# Altium PCB Falcon.PcbDoc
Units mm, origin at the board's own origin, x right, y up, seen from the top; angles counter-clockwise.
Board outline 100 x 100 mm, 2 copper layers (Top Layer, Bottom Layer); 139 components, 124 nets, 561 pads, 0 vias.
Unrouted connection lines stored in the file: 366.
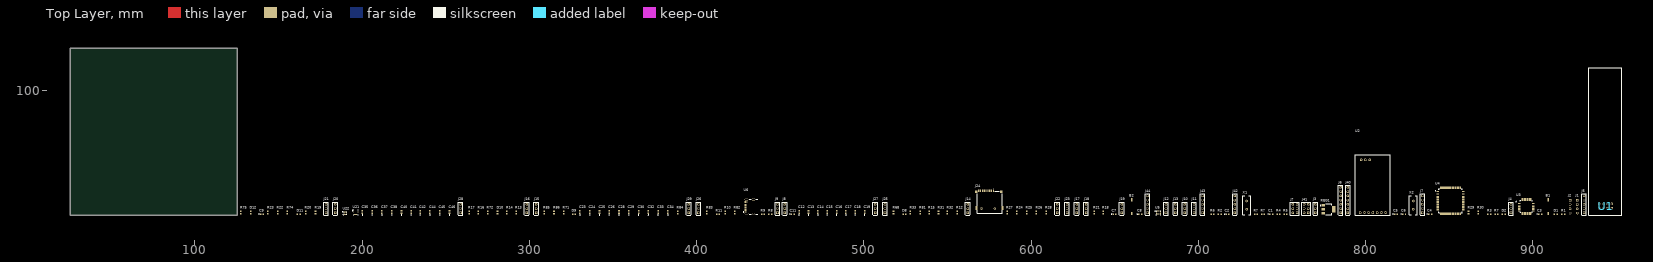
[diagram p0: Top Layer view]
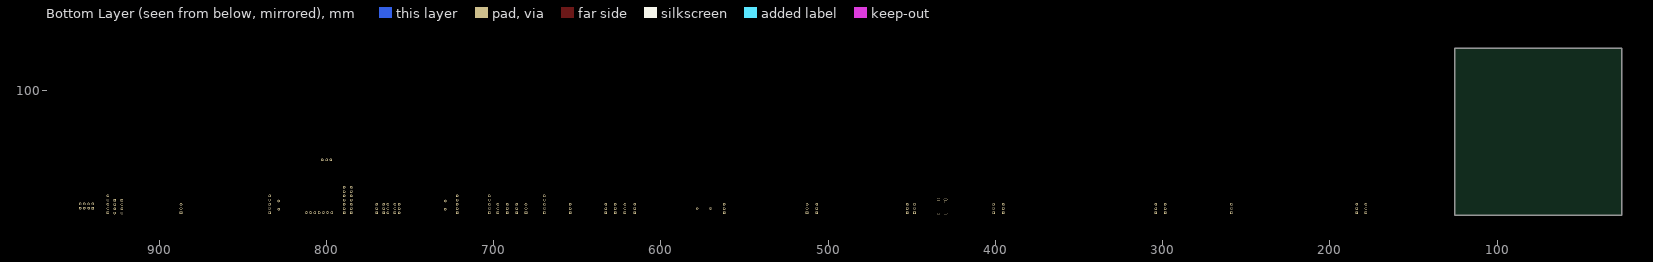
[diagram p1: Bottom Layer view, seen from below]

## Layer stack, top to bottom
Top Solder: solder mask 0.0102, Solder Resist, Dk 3.5
Top Layer: signal copper 0.0356
Dielectric 1: dielectric 0.32, FR-4, Dk 4.8
Bottom Layer: signal copper 0.0356
Bottom Solder: solder mask 0.0102, Solder Resist, Dk 3.5

## Board outline
25.4,25.4 125.4,25.4 125.4,125.4 25.4,125.4

## Design rules (kind name [scope] priority, off if disabled: settings)
Clearance [All] p1: gap=0.254 ignorepadtopadclearanceinfootprint=FALSE
PolygonConnect [All] p1: connectstyle=Relief reliefconductorwidth=0.254 reliefentries=4 polygonreliefangle="90 Angle" airgapwidth=0.254
RoutingVias [All] p1: holewidth=0.711 width=1.27 viastyle="Through Hole" minholewidth=0.711 minwidth=1.27 maxholewidth=0.711 maxwidth=1.27
SolderMaskExpansion [All] p1: expansion=0.102 istentingtop=FALSE
SupplyNets "Schematic Supply Nets" [InNet('GND')] p1: voltage=0.000
Width [All] p1: maxlimit=0.254 minlimit=0.254 preferedwidth=0.254
30 further rules are at their usual default settings.

## Components (designator, comment, footprint, x,y, rotation, side; value= is the part's Value field where it differs from the comment)
B1 "Buton" "SMD TACT SWITCH BUTTON" 909.066,30.607 r90 top
B2 "Buton" "SMD TACT SWITCH BUTTON" 660.146,30.607 r90 top
C1 "20pF 0603" "0603 SMD CAP" 743.458,26.162 r0 top
C2 "20pF 0603" "0603 SMD CAP" 717.423,26.162 r0 top
C3 "100 pF 0603" "0603 SMD CAP" 904.367,26.162 r0 top
C4 "20 pF 0603" "0603 SMD CAP" 838.581,26.162 r0 top
C5 "20 pF 0603" "0603 SMD CAP" 818.134,26.162 r0 top
C6 "2.2uF 0603" "0603 SMD CAP" 822.96,26.162 r0 top
C7 "100 pF 0603" "0603 SMD CAP" 649.859,26.162 r0 top
C8 "2.2uF 0603" "0603 SMD CAP" 665.226,26.162 r0 top
C9 "10uF 0603" "0603 SMD CAP" 140.081,26.162 r0 top
C11 "22uF" "0603 SMD CAP" 457.454,26.162 r0 top
C12 "22uF" "0603 SMD CAP" 461.264,27.432 r90 top
C13 "22uF" "0603 SMD CAP" 466.852,27.432 r90 top
C14 "22uF" "0603 SMD CAP" 472.44,27.432 r90 top
C15 "22uF" "0603 SMD CAP" 478.028,27.432 r90 top
C16 "22uF" "0603 SMD CAP" 483.616,27.432 r90 top
C17 "22uF" "0603 SMD CAP" 489.204,27.432 r90 top
C18 "100nF" "0603 SMD CAP" 494.792,27.432 r90 top
C19 "100nF" "0603 SMD CAP" 500.38,27.432 r90 top
C23 "22uF" "0603 SMD CAP" 330.2,27.432 r90 top
C24 "22uF" "0603 SMD CAP" 336.042,27.432 r90 top
C25 "22uF" "0603 SMD CAP" 341.884,27.432 r90 top
C26 "22uF" "0603 SMD CAP" 347.726,27.432 r90 top
C28 "22uF" "0603 SMD CAP" 353.568,27.432 r90 top
C29 "22uF" "0603 SMD CAP" 359.41,27.432 r90 top
C30 "22uF" "0603 SMD CAP" 365.252,27.432 r90 top
C32 "22uF" "0603 SMD CAP" 371.094,27.432 r90 top
C33 "100nF" "0603 SMD CAP" 376.936,27.432 r90 top
C34 "100nF" "0603 SMD CAP" 382.778,27.432 r90 top
C35 "22uF" "0603 SMD CAP" 200.152,27.432 r90 top
C36 "22uF" "0603 SMD CAP" 205.994,27.432 r90 top
C37 "22uF" "0603 SMD CAP" 211.836,27.432 r90 top
C38 "22uF" "0603 SMD CAP" 217.678,27.432 r90 top
C40 "22uF" "0603 SMD CAP" 223.52,27.432 r90 top
C41 "22uF" "0603 SMD CAP" 229.362,27.432 r90 top
C42 "22uF" "0603 SMD CAP" 234.696,27.432 r90 top
C44 "22uF" "0603 SMD CAP" 240.538,27.432 r90 top
C45 "100nF" "0603 SMD CAP" 246.38,27.432 r90 top
C46 "100nF" "0603 SMD CAP" 252.222,27.432 r90 top
D1 "RED 0603" "0603 SMD LED" 913.638,26.162 r0 top
D2 "GREEN 0603" "0603 SMD LED" 882.523,26.162 r0 top
D8 "GREEN 0603" "0603 SMD LED" 524.256,26.162 r0 top
D9 "GREEN 0603" "0603 SMD LED" 326.644,26.162 r0 top
D10 "GREEN 0603" "0603 SMD LED" 280.924,27.051 r90 top
D11 "GREEN 0603" "0603 SMD LED" 162.052,26.162 r0 top
D12 "GREEN 0603" "0603 SMD LED" 133.35,27.051 r90 top
J1 "1x4 CONN" CON1x4_2.54MM 926.465,30.734 r0 top
J2 "1x4 CONN 2.54mm" CON1x4_2.54MM 922.147,30.734 r0 top
J3 "1x3 CONN 2.54mm" CON1x3_2.54MM 769.874,26.924 r90 top
J4 "1x3 CONN 2.54mm" CON1x3_2.54MM 886.841,26.924 r90 top
J5 "1x5 CONN" CON1x5_2.54MM 930.529,29.464 r90 top
J6 "1x7 CONN" CON1x7_2.54MM 784.987,29.464 r90 top
J7 "1x5 CONN" CON1x5_2.54MM 833.882,29.464 r90 top
J8 "1x3 CONN" CON1x3_2.54MM 452.628,26.924 r90 top
J9 "1x3 CONN" CON1x3_2.54MM 448.31,26.924 r90 top
J10 "1x3 CONN" CON1x3_2.54MM 691.769,26.924 r90 top
J11 "1x3 CONN" CON1x3_2.54MM 697.357,26.924 r90 top
J12 "1x3 CONN" CON1x3_2.54MM 680.593,26.924 r90 top
J13 "1x3 CONN" CON1x3_2.54MM 686.181,26.924 r90 top
J14 "1x3 CONN" CON1x3_2.54MM 562.102,26.924 r90 top
J15 "1x3 CONN" CON1x3_2.54MM 304.038,26.924 r90 top
J16 "1x3 CONN" CON1x3_2.54MM 298.45,26.924 r90 top
J17 "1x3 CONN" CON1x3_2.54MM 627.253,26.924 r90 top
J18 "1x3 CONN" CON1x3_2.54MM 632.841,26.924 r90 top
J19 "1x3 CONN" CON1x3_2.54MM 654.177,26.924 r90 top
J20 "1x3 CONN" CON1x3_2.54MM 183.896,26.924 r90 top
J21 "1x3 CONN" CON1x3_2.54MM 178.435,26.924 r90 top
J22 "1x3 CONN" CON1x3_2.54MM 615.569,26.924 r90 top
J23 "1x3 CONN" CON1x3_2.54MM 621.411,26.924 r90 top
J24 "SD card socket" L-KLS1-TF-003-H1.85-R 575.183,29.464 r0 top
J25 "1x3 CONN" CON1x3_2.54MM 512.572,26.924 r90 top
J26 "1x3 CONN" CON1x3_2.54MM 401.066,26.924 r90 top
J27 "1x3 CONN" CON1x3_2.54MM 506.73,26.924 r90 top
J28 "1x3 CONN" CON1x3_2.54MM 258.826,26.924 r90 top
J29 "1x3 CONN" CON1x3_2.54MM 395.224,26.924 r90 top
J40 "1x7 CONN" CON1x7_2.54MM 789.305,29.464 r90 top
J41 "Header" CON2x3_2.54MM 765.683,29.464 r90 top
J42 "1x5 CONN" CON1x5_2.54MM 721.741,29.464 r90 top
J43 "1x5 CONN" CON1x5_2.54MM 702.437,29.464 r90 top
J44 "1x5 CONN" CON1x5_2.54MM 669.544,29.464 r90 top
J? "Header" CON2x3_2.54MM 758.952,29.464 r90 top
R1 "10K 0603" "0603 SMD RES" 918.083,26.162 r0 top
R2 "220R" "0603 SMD RES" 712.724,26.162 r0 top
R3 "560R" "0603 SMD RES" 873.887,26.162 r0 top
R4 "100K" "0603 SMD RES" 747.776,26.162 r0 top
R5 "100K" "0603 SMD RES" 752.094,26.162 r0 top
R6 "10K 0603" "0603 SMD RES" 708.406,26.162 r0 top
R7 "260R" "0603 SMD RES" 878.205,26.162 r0 top
R8 "2.2K" "0603 SMD RES" 443.992,26.162 r0 top
R9 "2.2K" "0603 SMD RES" 439.674,26.162 r0 top
R10 "10K" "0603 SMD RES" 417.068,27.051 r90 top
R11 "10K" "0603 SMD RES" 412.75,26.162 r0 top
R12 "2.2K" "0603 SMD RES" 555.752,27.051 r90 top
R13 "2.2K" "0603 SMD RES" 292.1,27.051 r90 top
R14 "2.2K" "0603 SMD RES" 286.512,27.051 r90 top
R15 "10K" "0603 SMD RES" 538.988,27.051 r90 top
R16 "10K" "0603 SMD RES" 269.494,27.051 r90 top
R17 "10K" "0603 SMD RES" 263.906,27.051 r90 top
R18 "2.2K" "0603 SMD RES" 643.001,27.051 r90 top
R19 "2.2K" "0603 SMD RES" 172.085,27.051 r90 top
R20 "2.2K" "0603 SMD RES" 166.243,27.051 r90 top
R21 "10K" "0603 SMD RES" 637.667,27.051 r90 top
R22 "10K" "0603 SMD RES" 149.479,27.051 r90 top
R23 "10K" "0603 SMD RES" 143.637,27.051 r90 top
R24 "10K" "0603 SMD RES" 591.439,27.051 r90 top
R25 "10K" "0603 SMD RES" 597.281,27.051 r90 top
R26 "10K" "0603 SMD RES" 603.123,27.051 r90 top
R27 "10K" "0603 SMD RES" 585.597,27.051 r90 top
R28 "10K" "0603 SMD RES" 608.965,27.051 r90 top
R29 "2.7K" "0603 SMD RES" 861.441,27.051 r90 top
R30 "2.7K" "0603 SMD RES" 867.283,27.051 r90 top
R31 "2.7K" "0603 SMD RES" 544.576,27.051 r90 top
R32 "2.7K" "0603 SMD RES" 549.91,27.051 r90 top
R33 "2.7K" "0603 SMD RES" 527.812,27.051 r90 top
R68 "260R" "0603 SMD RES" 517.652,27.051 r90 top
R71 "260R" "0603 SMD RES" 320.548,27.051 r90 top
R72 "260R" "0603 SMD RES" 275.082,27.051 r90 top
R74 "260R" "0603 SMD RES" 155.321,27.051 r90 top
R75 "260R" "0603 SMD RES" 127.508,27.051 r90 top
R81 "2.7K" "0603 SMD RES" 533.654,27.051 r90 top
R82 "1.5K" "0603 SMD RES" 422.656,27.051 r90 top
R83 "22R" "0603 SMD RES" 406.146,27.051 r90 top
R84 "22R" "0603 SMD RES" 388.62,27.051 r90 top
R85 "5.1K" "0603 SMD RES" 308.864,27.051 r90 top
R86 "5.1K" "0603 SMD RES" 314.706,27.051 r90 top
R? "100K" "0603 SMD RES" 734.314,26.162 r0 top
R? "100K" "0603 SMD RES" 738.632,26.162 r0 top
REG1 "AMS1117 - 3.3V - SOT223" SOT-223 777.748,29.083 r0 top
U1 "NRF24L01 Module" "NRF24L01 MODULE" 944.118,27.813 r90 top
U2 "Ebyte Lora - E32-900T20D" "Ebyte LoRa Modul" 802.894,42.418 r90 top
U3 "STM32F103C8T6" LQFP-48 895.985,30.734 r0 top
U4 "STM32F407VGT6" LQFP-100 850.646,34.163 r0 top
U5 "ICM-42688-P" LGA-14 676.021,27.051 r0 top
U6 "TYPE-C USB4105-GF-A-120" "TYPE-C USB4105-GF-A-120" 433.959,30.607 r90 top
U21 "MMC5983MA" VFLGA-16 196.215,27.178 r0 top
U22 "BMP388" WFLGA-10 189.865,26.67 r0 top
X1 "8Mhz HC49-S" "HC49-S Crystal Oscillator" 728.853,31.496 r90 top
X2 "8Mhz HC49-S" "HC49-S Crystal Oscillator" 828.421,31.496 r90 top

## Footprints (in the part's own frame and the unit in brackets; to place one, negate y for a bottom-side part, rotate by r counter-clockwise, add the part's x,y. Pads: shape width x height; smd on the part's side, far side on the other; paste and mask are expansions set on the pad)
"0603 SMD CAP" [mm]
  rect 0.89x0.93 smd: 1(-0.814,0) 2(0.814,0)
  silkscreen extent -1.88,-0.1 -1.68,0.1, body extent -0.8,-0.4 0.8,0.4, height 0.81
"0603 SMD LED" [mm]
  rect 0.89x0.93 smd: A(0.814,0) C(-0.814,0)
  body extent -0.8,-0.35 0.8,0.35, height 0.7
"0603 SMD RES" [mm]
  rect 0.89x0.93 smd: 1(-0.814,0) 2(0.814,0)
  body extent -0.8,-0.4 0.8,0.4, height 0.55
CON1x3_2.54MM [mil]
  rect 60x60 hole 40.16: 1(0,0)
  round 60 hole 40.16: 2(100,0) 3(200,0)
  silkscreen extent -55,-55 255,55, body extent -50,-50 250,50, height 350
CON1x4_2.54MM [mil]
  rect 60x60 hole 40.16: 1(0,145)
  round 60 hole 40.16: 2(0,45) 3(0,-55) 4(0,-155)
  body extent -50,-205 48,195, height 415
CON1x5_2.54MM [mil]
  rect 60x60 hole 40.16: 1(-100,0)
  round 60 hole 40.16: 2(0,0) 3(100,0) 4(200,0) 5(300,0)
  silkscreen extent -155,-55 355,55, body extent -150,-50 350,50, height 350
CON1x7_2.54MM [mil]
  rect 60x60 hole 40.16: 1(-100,0)
  round 60 hole 40.16: 2(0,0) 3(100,0) 4(200,0) 5(300,0) 6(400,0) 7(500,0)
  silkscreen extent -155,-55 555,55, body extent -150,-50 550,50, height 350
CON2x3_2.54MM [mil]
  rect 60x60 hole 40.16: 1(-100,0)
  round 60 hole 40.16: 2(0,0) 3(100,0) 4(-100,100) 5(0,100) 6(100,100)
  silkscreen extent -155,-55 155,155, body extent -150,-50 150,150, height 350
"Ebyte LoRa Modul" [mm] "Modul"
  round 1.524 hole 1.02: 1(-15.3,6.24) 2(-15.3,3.7) 3(-15.3,1.16) 4(-15.3,-1.38) 5(-15.3,-3.92) 6(-15.3,-6.46) 7(-15.3,-9) 8(16.2,0.54) 9(16.2,3.08) 10(16.2,5.62)
  silkscreen extent -16.81,-11.86 19.19,9.14, body extent -16.78,-11.9 32,9.1, height 8.71
"HC49-S Crystal Oscillator" [mil]
  round 60 hole 30: 1(-98.43,0) 2(98.43,0)
  silkscreen extent -224,-94 224,94, body extent -226,-98 226,98, height 145
L-KLS1-TF-003-H1.85-R [mm]
  rect 0.7x1.4 smd: 1(2.25,10.6) 2(1.15,10.6) 3(0.05,10.6) 4(-1.05,10.6) 5(-2.15,10.6) 6(-3.25,10.6) 7(-4.35,10.6) 8(-5.45,10.6) 9(-6.55,10.6)
  rect 1.6x1.4 smd: 10(-8,10) 13(6.85,10)
  rect 1.2x2.2 smd: 11(-7.75,0.4) 12(7.75,0.4)
  round 1.4 hole 0.9: 14(3.05,0) 15(-4.95,0)
  silkscreen extent -7.37,-2.71 7.37,11.84, body extent -8,-3.99 8.1,11.21, height 1.85
LGA-14 [mm]
  rrect50% 0.59x0.35 smd mask+0: 1(-1.165,0.75) 2(-1.165,0.25) 3(-1.165,-0.25) 4(-1.165,-0.75) 8(1.165,-0.75) 9(1.165,-0.25) 10(1.165,0.25) 11(1.165,0.75)
  rrect50% 0.35x0.59 smd mask+0: 5(-0.5,-0.915) 6(0,-0.915) 7(0.5,-0.915) 12(0.5,0.915) 13(0,0.915) 14(-0.5,0.915)
  silkscreen extent -2.1,-1.25 1.5,1.25, body extent -1.5,-1.25 1.5,1.25, height 0.97
LQFP-48 [mm]
  rrect50% 1.56x0.28 smd: 1(-4.18,2.75) 2(-4.18,2.25) 3(-4.18,1.75) 4(-4.18,1.25) 5(-4.18,0.75) 6(-4.18,0.25) 7(-4.18,-0.25) 8(-4.18,-0.75) 9(-4.18,-1.25) 10(-4.18,-1.75) 11(-4.18,-2.25) 12(-4.18,-2.75) 25(4.18,-2.75) 26(4.18,-2.25) 27(4.18,-1.75) 28(4.18,-1.25) 29(4.18,-0.75) 30(4.18,-0.25) 31(4.18,0.25) 32(4.18,0.75) 33(4.18,1.25) 34(4.18,1.75) 35(4.18,2.25) 36(4.18,2.75)
  rrect50% 0.28x1.56 smd: 13(-2.75,-4.18) 14(-2.25,-4.18) 15(-1.75,-4.18) 16(-1.25,-4.18) 17(-0.75,-4.18) 18(-0.25,-4.18) 19(0.25,-4.18) 20(0.75,-4.18) 21(1.25,-4.18) 22(1.75,-4.18) 23(2.25,-4.18) 24(2.75,-4.18) 37(2.75,4.18) 38(2.25,4.18) 39(1.75,4.18) 40(1.25,4.18) 41(0.75,4.18) 42(0.25,4.18) 43(-0.25,4.18) 44(-0.75,4.18) 45(-1.25,4.18) 46(-1.75,4.18) 47(-2.25,4.18) 48(-2.75,4.18)
  silkscreen extent -6.15,-3.6 3.6,3.6, body extent -4.5,-4.5 4.5,4.5, height 1.6
LQFP-100 [mm]
  rrect50% 1.56x0.28 smd: 1(-7.68,6) 2(-7.68,5.5) 3(-7.68,5) 4(-7.68,4.5) 5(-7.68,4) 6(-7.68,3.5) 7(-7.68,3) 8(-7.68,2.5) 9(-7.68,2) 10(-7.68,1.5) 11(-7.68,1) 12(-7.68,0.5) 13(-7.68,0) 14(-7.68,-0.5) 15(-7.68,-1) 16(-7.68,-1.5) 17(-7.68,-2) 18(-7.68,-2.5) 19(-7.68,-3) 20(-7.68,-3.5) 21(-7.68,-4) 22(-7.68,-4.5) 23(-7.68,-5) 24(-7.68,-5.5) 25(-7.68,-6) 51(7.68,-6) 52(7.68,-5.5) 53(7.68,-5) 54(7.68,-4.5) 55(7.68,-4) 56(7.68,-3.5) 57(7.68,-3) 58(7.68,-2.5) 59(7.68,-2) 60(7.68,-1.5) 61(7.68,-1) 62(7.68,-0.5) 63(7.68,0) 64(7.68,0.5) 65(7.68,1) 66(7.68,1.5) 67(7.68,2) 68(7.68,2.5) 69(7.68,3) 70(7.68,3.5) 71(7.68,4) 72(7.68,4.5) 73(7.68,5) 74(7.68,5.5) 75(7.68,6)
  rrect50% 0.28x1.56 smd: 26(-6,-7.68) 27(-5.5,-7.68) 28(-5,-7.68) 29(-4.5,-7.68) 30(-4,-7.68) 31(-3.5,-7.68) 32(-3,-7.68) 33(-2.5,-7.68) 34(-2,-7.68) 35(-1.5,-7.68) 36(-1,-7.68) 37(-0.5,-7.68) 38(0,-7.68) 39(0.5,-7.68) 40(1,-7.68) 41(1.5,-7.68) 42(2,-7.68) 43(2.5,-7.68) 44(3,-7.68) 45(3.5,-7.68) 46(4,-7.68) 47(4.5,-7.68) 48(5,-7.68) 49(5.5,-7.68) 50(6,-7.68) 76(6,7.68) 77(5.5,7.68) 78(5,7.68) 79(4.5,7.68) 80(4,7.68) 81(3.5,7.68) 82(3,7.68) 83(2.5,7.68) 84(2,7.68) 85(1.5,7.68) 86(1,7.68) 87(0.5,7.68) 88(0,7.68) 89(-0.5,7.68) 90(-1,7.68) 91(-1.5,7.68) 92(-2,7.68) 93(-2.5,7.68) 94(-3,7.68) 95(-3.5,7.68) 96(-4,7.68) 97(-4.5,7.68) 98(-5,7.68) 99(-5.5,7.68) 100(-6,7.68)
  silkscreen extent -9.1,-7.1 7.1,7.1, body extent -8,-8 8,8, height 1.6
"NRF24L01 MODULE" [mil]
  rect 60x60 hole 40.16: 1(75,180)
  round 60 hole 40.16: 2(175,180) 3(75,80) 4(175,80) 5(75,-20) 6(175,-20) 7(75,-120) 8(175,-120)
  silkscreen extent -90,-355 3385,420, body extent 0,-275 5961,335, height 600
"SMD TACT SWITCH BUTTON" [mm]
  rect 2x1 smd: 0(4.064,0) 1(-4.064,0)
  body extent -4.03,-1.83 4.03,1.83, height 2.51
SOT-223 [mm]
  rect 2x1.5 smd: 1(-3.15,2.3) 2(-3.15,0) 3(-3.15,-2.3)
  rect 2x3.8 smd: 4(3.15,0)
  silkscreen extent -4.94,-3.35 1.85,3.35, body extent -3.5,-3.23 3.5,3.22, height 1.8
"TYPE-C USB4105-GF-A-120" [mm]
  rect 0.6x1.15 smd: A1_B12(-3.2,4.755) A4_B9(-2.4,4.755) B1_A12(3.2,4.755) B4_A9(2.4,4.755)
  rect 0.3x1.15 smd: A5(-1.25,4.755) A6(-0.25,4.755) A7(0.25,4.755) A8(1.25,4.755) B5(1.75,4.755) B6(0.75,4.755) B7(-0.75,4.755) B8(-1.75,4.755)
  oval 1x2.1 hole 0.6 slot 1.7 at 90 deg: SH1(-4.32,4.18) SH2(4.32,4.18)
  rrect50% 1x1.8 hole 0.6 slot 1.4 at 90 deg: SH3(-4.32,0) SH4(4.32,0)
  round 0.65 hole 0.65 unplated: ""(-2.89,3.68) ""(2.89,3.68)
  silkscreen extent -4.47,-2.6 4.47,6.1, body extent -4.47,-2.6 4.47,5.11, height 3.31
VFLGA-16 [mm]
  rect 0.45x0.3 smd: 1(-1.275,0.75) 2(-1.275,0.25) 3(-1.275,-0.25) 4(-1.275,-0.75) 9(1.275,-0.75) 10(1.275,-0.25) 11(1.275,0.25) 12(1.275,0.75)
  rect 0.3x0.45 smd: 5(-0.75,-1.275) 6(-0.25,-1.275) 7(0.25,-1.275) 8(0.75,-1.275) 13(0.75,1.275) 14(0.25,1.275) 15(-0.25,1.275) 16(-0.75,1.275)
  silkscreen extent -2.13,-1.5 1.5,1.5, body extent -1.5,-1.5 1.5,1.5, height 1
WFLGA-10 [mm] "WFLGA-10"
  rrect9% 0.35x0.38 smd: 1(-0.765,0.25) 2(-0.765,-0.25) 3(-0.5,-0.765) 4(0,-0.765) 5(0.5,-0.765) 6(0.765,-0.25) 7(0.765,0.25) 8(0.5,0.765) 9(0,0.765) 10(-0.5,0.765)
  silkscreen extent -1.62,-1.03 1.03,1.03, body extent -1,-1 1,1, height 0.8

## Part data
B1 B2: library part "SMD TACT SWITCH BUTTON"
C1 C2 C3 C4 C5 C6 C7 C8 C9 C11 C12 C13 C14 C15 C16 C17 C18 C19 C23 C24 C25 C26 C28 C29 C30 C32 C33 C34 C35 C36 C37 C38 C40 C41 C42 C44 C45 C46: library part "CAP SMD 603"
D1 D2 D8 D9 D10 D11 D12: library part "LED 603 SMD"
J1 J2: library part CON1x4_2.54mm
J3 J4 J8 J9 J10 J11 J12 J13 J14 J15 J16 J17 J18 J19 J20 J21 J22 J23 J25 J26 J27 J28 J29: library part CON1x3_2.54mm
J5 J7 J42 J43 J44: library part CON1x5_2.54mm
J6 J40: library part CON1x7_2.54mm
J24: library part L-KLS1-TF-003-H1.85-R
J41 J?: library part CON2x3_2.54mm
R1 R2 R3 R4 R5 R6 R7 R8 R9 R10 R11 R12 R13 R14 R15 R16 R17 R18 R19 R20 R21 R22 R23 R24 R25 R26 R27 R28 R29 R30 R31 R32 R33 R68 R71 R72 R74 R75 R81 R82 R83 R84 R85 R86 R? R?: library part "RES SMD 0603"
REG1: library part AMS1117
U2: library part "Ebyte Lora"
U5: library part ICM42688-P
X1 X2: library part "HC49-S Crystal Oscillator"

## Nets (pads, with @x,y where several pads share a name; then routed paths per layer and width w, separated by ;. In a path a pad name is that pad's centre, name@x,y a point inside that pad or via, vN(x,y) a via of type N, cw(c..) or ccw(c..) an arc to the next point about the centre after c; other vN are vias at no path point)
3.3V: C35.1 C36.1 C37.1 C38.1 C40.1 C41.1 C42.1 C44.1 C45.1 C46.1 D1.A D2.A D8.A D9.A D10.A D11.A D12.A J1.1 J2.1 J3.3 J4.3 J5.2 J24.4 J25.1 J26.1 J27.1 J28.1 J29.1 J41.1 J41.4 J42.2 J43.2 J44.2 J?.1 J?.4 R1.1 R6.1 R24.2 R25.2 R26.2 R27.1 R28.2 R29.2 R30.2 R31.2 R32.2 R33.2 R81.2 R82.2 REG1.2 U1.2 U3.9 U3.24 U3.36 U3.48 U4.11 U4.19 U4.21 U4.22 U4.28 U4.50 U4.75 U4.100 U5.5 U5.8 U21.2 U21.4 U21.13 U22.1 U22.10
5V: C23.1 C24.1 C25.1 C26.1 C28.1 C29.1 C30.1 C32.1 C33.1 C34.1 J3.1 J4.1 J5.1 J42.1 J43.1 J44.1 REG1.3 U6.A4_B9 U6.B4_A9
5V_S: C11.1 C12.1 C13.1 C14.1 C15.1 C16.1 C17.1 C18.1 C19.1 J10.1 J11.1 J12.1 J13.1 J17.1 J18.1 J22.1 J23.1
ADC_IN1: J25.2 U3.11
ADC_IN2: J29.2 U3.12
ADC_IN3: J26.2 U3.13
ADC_IN4: J27.2 U3.14
ADC_IN5: J28.2 U3.15
BOOT0: R?.2@739.446,26.162 U3.44
BOOT1: R?.1@733.5,26.162 U3.20
GND: B1.0 B2.0 C1.2 C2.2 C3.2 C4.2 C5.2 C6.2 C7.2 C8.2 C9.2 C11.2 C12.2 C13.2 C14.2 C15.2 C16.2 C17.2 C18.2 C19.2 C23.2 C24.2 C25.2 C26.2 C28.2 C29.2 C30.2 C32.2 C33.2 C34.2 C35.2 C36.2 C37.2 C38.2 C40.2 C41.2 C42.2 C44.2 C45.2 C46.2 J1.4 J2.4 J5.5 J6.1 J6.2 J6.7 J7.2 J8.3 J9.3 J10.3 J11.3 J12.3 J13.3 J14.3 J15.3 J16.3 J17.3 J18.3 J19.3 J20.3 J21.3 J22.3 J23.3 J24.6 J25.3 J26.3 J27.3 J28.3 J29.3 J41.3 J41.6 J42.5 J43.5 J44.5 J?.3 J?.6 R10.1 R11.1 R15.1 R16.1 R17.1 R21.1 R22.1 R23.1 R85.1 R86.1 REG1.1 U1.1 U3.8 U3.23 U3.35 U3.47 U4.10 U4.20 U4.27 U4.74 U4.99 U5.2 U5.3 U5.6 U5.7 U5.10 U5.11 U6.A1_B12 U6.B1_A12 U6.SH1 U6.SH2 U6.SH3 U6.SH4 U21.9 U21.11 U22.3 U22.5 U22.8 U22.9
GPS_CON_LED: R75.2 U4.3
I2C1_SCL: J44.3 R31.1 U4.92
I2C1_SDA: J44.4 R32.1 U4.93
I2C2_SCL: J42.3 R33.1 U4.47
I2C2_SDA: J42.4 R81.1 U4.48
I2C3_SCL: R29.1 U4.67 U21.1 U22.2
I2C3_SDA: R30.1 U4.66 U21.16 U22.4
Lora_AUX: J6.5 U4.57
LORA_CON_LED: R71.2 U4.2
M1: R9.1 R11.2 U3.29
M2: R14.1 R17.2 U3.30
M3: R20.1 R23.2 U3.31
M4: R8.1 R10.2 U3.32
M5: R13.1 R16.2 U3.42
M6: R19.1 R22.2 U3.43
M7: R18.1 R21.2 U3.45
M8: R12.1 R15.2 U3.46
MAG_INT: U4.17 U21.15
MBOOT0: R5.2 U4.94
MBOOT1: R4.1 U4.37
NetC2_1: C2.1 R2.1 X1.1
NetC4_1: C4.1 U3.5 X2.2
NetC5_1: C5.1 U3.6 X2.1
NetC6_1: C6.1 U4.73
NetC8_1: C8.1 U4.49
NetC9_1: C9.1 U21.10
NetD1_C: D1.C R3.1
NetD2_C: D2.C R7.1
NetD8_C: D8.C R68.1
NetD9_C: D9.C R71.1
NetD10_C: D10.C R72.1
NetD11_C: D11.C R74.1
NetD12_C: D12.C R75.1
NetJ3_2: J3.2 J6.6
NetJ4_2: J4.2 J7.1
NetJ8_1: J8.1 R8.2
NetJ9_1: J9.1 R9.2
NetJ14_1: J14.1 R12.2
NetJ15_1: J15.1 R13.2
NetJ16_1: J16.1 R14.2
NetJ19_1: J19.1 R18.2
NetJ20_1: J20.1 R19.2
NetJ21_1: J21.1 R20.2
NetJ40_1: J40.1 U2.1
NetJ40_2: J40.2 U2.2
NetJ40_3: J40.3 U2.3
NetJ40_4: J40.4 U2.4
NetJ40_5: J40.5 U2.5
NetJ40_6: J40.6 U2.6
NetJ40_7: J40.7 U2.7
NetJ41_2: J41.2 R4.2
NetJ41_5: J41.5 R5.1
NetJ?_2: J?.2 R?.2@735.128,26.162
NetJ?_5: J?.5 R?.1@737.818,26.162
NetR3_2: R3.2 U3.2
NetR82_1: R82.1 R83.2 U6.A6 U6.B6
NetR84_2: R84.2 U6.A7 U6.B7
NetR85_2: R85.2 U6.A5
NetR86_2: R86.2 U6.B5
NRF24L01_CON_LED: R74.2 U4.1
NRF_CE: U1.3 U4.34
NRF_CNS: U1.4 U4.33
NRF_IRQ: U1.8 U4.35
NRST1: B2.1 C7.1 R6.2 U4.14
NRST2: B1.1 C3.1 R1.2 U3.7
PCB_BOARD_CON: R68.2 U4.4
Pressure_INT: U4.16 U22.7
RCC_OSC_IN: C1.1 U4.12 X1.2
RCC_OSC_OUT: R2.2 U4.13
SDIO_CK: J24.5 U4.80
SDIO_CMD: J24.3 R24.1 U4.83
SDIO_CON_LED: R72.2 U4.96
SDIO_D0: J24.7 R28.1 U4.65
SDIO_D1: J24.8 R27.2
SDIO_D2: J24.1 R26.1
SDIO_D3: J24.2 R25.1
SDIO_P: J24.9 U4.82
SERVO_1: J10.2 U3.38
SERVO_2: J12.2 U3.39
SERVO_3: J17.2 U3.21
SERVO_4: J22.2 U3.22
SERVO_5: J11.2 U3.16
SERVO_6: J13.2 U3.17
SERVO_7: J18.2 U3.18
SERVO_8: J23.2 U3.19
SPI1_MISO: U1.7 U4.31
SPI1_MOSI: U1.6 U4.32
SPI1_SCK: U1.5 U4.30
SPI2_CS: U3.25 U4.51
SPI2_MISO: U3.27 U4.53
SPI2_MOSI: U3.28 U4.54
SPI2_SCK: U3.26 U4.52
SPI3_CS: U4.88 U5.12
SPI3_INT1: U4.87 U5.4
SPI3_INT2: U4.86 U5.9
SPI3_MISO: U4.90 U5.1
SPI3_MOSI: U4.91 U5.14
SPI3_SCK: U4.89 U5.13
SPI_CON_LED: R7.2 U3.33
SYS_SWCLCK1: J2.2 U4.76
SYS_SWCLCK2: J1.2 U3.37
SYS_SWDIO1: J2.3 U4.72
SYS_SWDIO2: J1.3 U3.34
UART2_RX: J5.4 U4.26
UART2_TX: J5.3 U4.25
UART3_RX: J6.4 U4.56
UART3_TX: J6.3 U4.55
UART4_RX: J43.4 U4.24
UART4_TX: J43.3 U4.23
UART6_RX: J7.3 U4.64
UART6_TX: J7.4 U4.63
USB_DM: R84.1 U4.70
USB_DP: R83.1 U4.71
pads on no net: J7.5 J8.2 J9.2 J14.2 J15.2 J16.2 J19.2 J20.2 J21.2 J24.10 J24.11 J24.12 J24.13 J24.14 J24.15 REG1.4 U2.8 U2.9 U2.10 U3.1 U3.3 U3.4 U3.10 U3.40 U3.41 U4.5 U4.6 U4.7 U4.8 U4.9 U4.15 U4.18 U4.29 U4.36 U4.38 U4.39 U4.40 U4.41 U4.42 U4.43 U4.44 U4.45 U4.46 U4.58 U4.59 U4.60 U4.61 U4.62 U4.68 U4.69 U4.77 U4.78 U4.79 U4.81 U4.84 U4.85 U4.95 U4.97 U4.98 U6. U6.A8 U6.B8 U21.3 U21.5 U21.6 U21.7 U21.8 U21.12 U21.14 U22.6

## Text inside footprints (layer, text, board x,y; h text height)
U6: Mechanical 13 "PCB EDGE" at 436.459,36.007 h0.41 r90